# Altium PCB I2C_Jog_Controller - host_module.pcbdoc (part 5 of 5)
Units mm, origin at the board's own origin, x right, y up, seen from the top; angles counter-clockwise.
Board outline 33.76 x 20.13 mm, 4 copper layers (Top Layer, L1, L2, Bottom Layer), stack 1.873 mm thick; 45 components, 39 nets, 5152 pads, 73 vias.
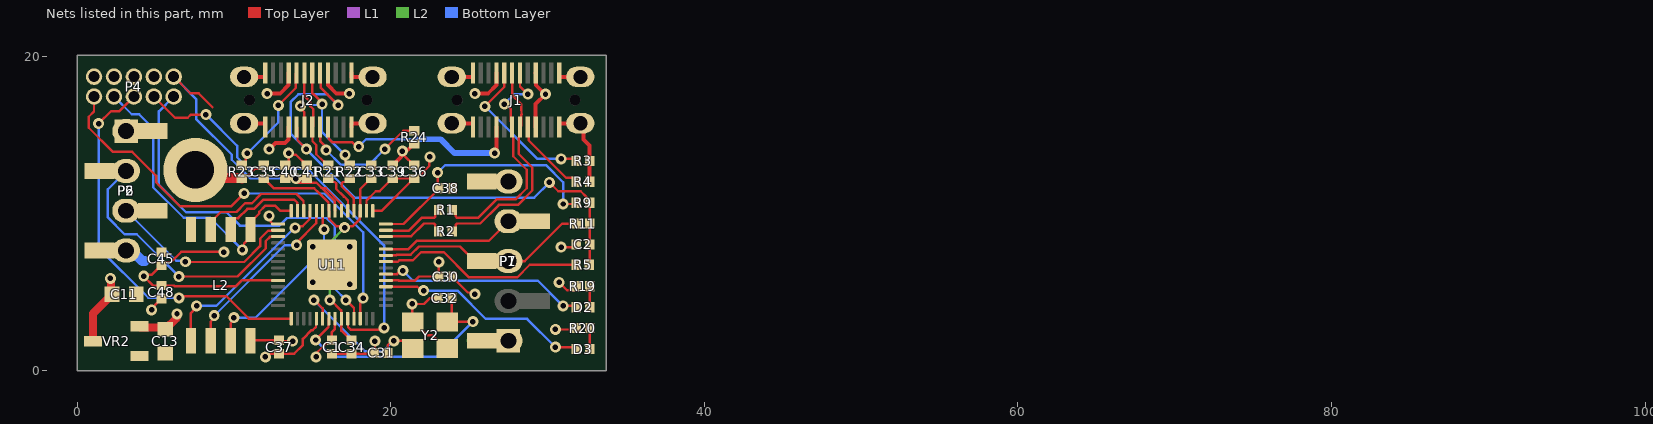
[diagram p7: the nets of this part, all layers, seen from the top]

## Footprints (in the part's own frame and the unit in brackets; to place one, negate y for a bottom-side part, rotate by r counter-clockwise, add the part's x,y. Pads: shape width x height; smd on the part's side, far side on the other; paste and mask are expansions set on the pad) (continued)
Expatria-Logo [mil] "Expatria DXF logo" (continued)
  round 1.64 on Mech4: 1(-44084.13,-43686.41) 1(-44084.13,-43686.41) 1(-44083.22,-43664.04) 1(-44083.22,-43664.04) 1(-44083.22,-43543.69) 1(-44083.22,-43543.69) 1(-44082.8,-43686.83) 1(-44082.8,-43686.83) 1(-44082.34,-43664.04) 1(-44082.34,-43664.04) 1(-44082.34,-43517.31) 1(-44082.34,-43517.31) 1(-44081.89,-43688.19) 1(-44081.89,-43688.19) 1(-44080.56,-43688.64) 1(-44080.56,-43688.64) 1(-44080.11,-43689.52) 1(-44080.11,-43689.52) 1(-44079.2,-43516.85) 1(-44079.2,-43516.85) 1(-44078.74,-43689.97) 1(-44078.74,-43689.97) 1(-44078.32,-43690.88) 1(-44078.32,-43690.88) 1(-44078.32,-43541.45) 1(-44078.32,-43541.45) 1(-44076.96,-43691.3) 1(-44076.96,-43691.3) 1(-44076.96,-43669.84) 1(-44076.96,-43669.84) 1(-44076.51,-43692.21) 1(-44076.51,-43692.21) 1(-44076.09,-43669.84) 1(-44076.09,-43669.84) 1(-44076.09,-43515.52) 1(-44076.09,-43515.52) 1(-44075.18,-43692.66) 1(-44075.18,-43692.66) 1(-44074.73,-43693.54) 1(-44074.73,-43693.54) 1(-44073.4,-43693.99) 1(-44073.4,-43693.99) 1(-44073.4,-43672.99) 1(-44073.4,-43672.99) 1(-44073.4,-43540.13) 1(-44073.4,-43540.13) 1(-44072.95,-43515.07) 1(-44072.95,-43515.07) 1(-44072.95,-43694.9) 1(-44072.95,-43694.9) 1(-44072.49,-43672.99) 1(-44072.49,-43672.99) 1(-44071.62,-43695.35) 1(-44071.62,-43695.35) 1(-44071.16,-43696.23) 1(-44071.16,-43696.23) 1(-44069.8,-43696.68) 1(-44069.8,-43696.68) 1(-44069.8,-43513.74) 1(-44069.8,-43513.74) 1(-44069.38,-43697.59) 1(-44069.38,-43697.59) 1(-44068.47,-43537.89) 1(-44068.47,-43537.89) 1(-44068.02,-43698.01) 1(-44068.02,-43698.01) 1(-44067.56,-43698.92) 1(-44067.56,-43698.92) 1(-44066.69,-43513.29) 1(-44066.69,-43513.29) 1(-44066.23,-43699.37) 1(-44066.23,-43699.37) 1(-44065.78,-43700.24) 1(-44065.78,-43700.24) 1(-44064.46,-43700.7) 1(-44064.46,-43700.7) 1(-44063.54,-43536.56) 1(-44063.54,-43536.56) 1(-44063.54,-43511.96) 1(-44063.54,-43511.96) 1(-44062.67,-43702.48) 1(-44062.67,-43702.48) 1(-44062.21,-43683.72) 1(-44062.21,-43683.72) 1(-44061.31,-43702.94) 1(-44061.31,-43702.94) 1(-44061.31,-43683.72) 1(-44061.31,-43683.72) 1(-44061.31,-43535.2) 1(-44061.31,-43535.2) 1(-44060.86,-43703.84) 1(-44060.86,-43703.84) 1(-44060.44,-43511.51) 1(-44060.44,-43511.51) 1(-44059.53,-43704.3) 1(-44059.53,-43704.3) 1(-44059.07,-43705.17) 1(-44059.07,-43705.17) 1(-44059.07,-43534.74) 1(-44059.07,-43534.74) 1(-44058.19,-43687.28) 1(-44058.19,-43687.28) 1(-44057.74,-43705.63) 1(-44057.74,-43705.63) 1(-44057.29,-43510.14) 1(-44057.29,-43510.14) 1(-44057.29,-43687.28) 1(-44057.29,-43687.28) 1(-44056.84,-43533.42) 1(-44056.84,-43533.42) 1(-44055.96,-43707.41) 1(-44055.96,-43707.41) 1(-44054.6,-43707.86) 1(-44054.6,-43707.86) 1(-44054.6,-43532.96) 1(-44054.6,-43532.96) 1(-44054.14,-43708.77) 1(-44054.14,-43708.77) 1(-44054.14,-43509.72) 1(-44054.14,-43509.72) 1(-44053.27,-43691.75) 1(-44053.27,-43691.75) 1(-44052.82,-43709.19) 1(-44052.82,-43709.19) 1(-44052.36,-43710.1) 1(-44052.36,-43710.1) 1(-44052.36,-43691.75) 1(-44052.36,-43691.75) 1(-44052.36,-43531.63) 1(-44052.36,-43531.63) 1(-44051.03,-43710.55) 1(-44051.03,-43710.55) 1(-44051.03,-43508.36) 1(-44051.03,-43508.36) 1(-44050.12,-43531.18) 1(-44050.12,-43531.18) 1(-44049.25,-43712.34) 1(-44049.25,-43712.34) 1(-44047.89,-43712.79) 1(-44047.89,-43712.79) 1(-44047.89,-43529.85) 1(-44047.89,-43529.85) 1(-44047.43,-43713.66) 1(-44047.43,-43713.66) 1(-44046.1,-43714.12) 1(-44046.1,-43714.12) 1(-44046.1,-43507.49) 1(-44046.1,-43507.49) 1(-44045.65,-43529.4) 1(-44045.65,-43529.4) 1(-44044.78,-43699.83) 1(-44044.78,-43699.83) 1(-44044.33,-43715.9) 1(-44044.33,-43715.9) 1(-44043.87,-43699.83) 1(-44043.87,-43699.83) 1(-44043.41,-43528.04) 1(-44043.41,-43528.04) 1(-44042.96,-43716.35) 1(-44042.96,-43716.35) 1(-44042.96,-43506.13) 1(-44042.96,-43506.13) 1(-44042.09,-43717.72) 1(-44042.09,-43717.72) 1(-44041.18,-43527.62) 1(-44041.18,-43527.62) 1(-44040.73,-43718.14) 1(-44040.73,-43718.14) 1(-44040.31,-43719.05) 1(-44040.31,-43719.05) 1(-44039.85,-43505.67) 1(-44039.85,-43505.67) 1(-44038.94,-43719.5) 1(-44038.94,-43719.5) 1(-44038.94,-43526.25) 1(-44038.94,-43526.25) 1(-44038.07,-43720.83) 1(-44038.07,-43720.83) 1(-44037.62,-43706.54) 1(-44037.62,-43706.54) 1(-44036.71,-43721.28) 1(-44036.71,-43721.28) 1(-44036.71,-43525.8) 1(-44036.71,-43525.8) 1(-44036.71,-43504.34) 1(-44036.71,-43504.34) 1(-44036.71,-43706.54) 1(-44036.71,-43706.54) 1(-44036.25,-43722.19) 1(-44036.25,-43722.19) 1(-44034.92,-43722.61) 1(-44034.92,-43722.61) 1(-44034.47,-43723.52) 1(-44034.47,-43723.52) 1(-44034.01,-43709.65) 1(-44034.01,-43709.65) 1(-44033.6,-43503.89) 1(-44033.6,-43503.89) 1(-44033.14,-43723.97) 1(-44033.14,-43723.97) 1(-44033.14,-43709.65) 1(-44033.14,-43709.65) 1(-44033.14,-43524.02) 1(-44033.14,-43524.02) 1(-44032.69,-43724.85) 1(-44032.69,-43724.85) 1(-44031.36,-43725.3) 1(-44031.36,-43725.3) 1(-44030.9,-43523.56) 1(-44030.9,-43523.56) 1(-44029.54,-43727.08) 1(-44029.54,-43727.08) 1(-44028.67,-43502.11) 1(-44028.67,-43502.11) 1(-44028.67,-43522.23) 1(-44028.67,-43522.23) 1(-44028.21,-43727.54) 1(-44028.21,-43727.54) 1(-44026.43,-43521.78) 1(-44026.43,-43521.78) 1(-44026.43,-43729.32) 1(-44026.43,-43729.32) 1(-44025.53,-43501.65) 1(-44025.53,-43501.65) 1(-44025.07,-43729.77) 1(-44025.07,-43729.77) 1(-44024.65,-43730.68) 1(-44024.65,-43730.68) 1(-44024.2,-43520.45) 1(-44024.2,-43520.45) 1(-44023.74,-43719.5) 1(-44023.74,-43719.5) 1(-44023.28,-43731.14) 1(-44023.28,-43731.14) 1(-44022.83,-43719.5) 1(-44022.83,-43719.5) 1(-44021.96,-43520) 1(-44021.96,-43520) 1(-44021.51,-43732.92) 1(-44021.51,-43732.92) 1(-44021.05,-43519.09) 1(-44021.05,-43519.09) 1(-44020.18,-43722.61) 1(-44020.18,-43722.61) 1(-44019.27,-43722.61) 1(-44019.27,-43722.61) 1(-44018.81,-43518.67) 1(-44018.81,-43518.67) 1(-44018.36,-43734.25) 1(-44018.36,-43734.25) 1(-44017.03,-43735.61) 1(-44017.03,-43735.61) 1(-44016.58,-43517.31) 1(-44016.58,-43517.31) 1(-44015.7,-43736.03) 1(-44015.7,-43736.03) 1(-44015.25,-43727.08) 1(-44015.25,-43727.08) 1(-44014.79,-43737.39) 1(-44014.79,-43737.39) 1(-44014.79,-43498.96) 1(-44014.79,-43498.96) 1(-44014.34,-43727.08) 1(-44014.34,-43727.08) 1(-44014.34,-43516.85) 1(-44014.34,-43516.85) 1(-44011.65,-43739.17) 1(-44011.65,-43739.17) 1(-44010.78,-43731.14) 1(-44010.78,-43731.14) 1(-44010.78,-43515.07) 1(-44010.78,-43515.07) 1(-44010.78,-43497.18) 1(-44010.78,-43497.18) 1(-44009.87,-43731.14) 1(-44009.87,-43731.14) 1(-44009.87,-43735.61) 1(-44009.87,-43735.61) 1(-44009.42,-43735.61) 1(-44009.42,-43735.61) 1(-44009.42,-43732.92) 1(-44009.42,-43732.92) 1(-44009.42,-43732.47) 1(-44009.42,-43732.47) 1(-44009,-43738.72) 1(-44009,-43738.72) 1(-44009,-43733.37) 1(-44009,-43733.37) 1(-44008.54,-43738.72) 1(-44008.54,-43738.72) 1(-44008.54,-43732.47) 1(-44008.54,-43732.47) 1(-44008.54,-43514.62) 1(-44008.54,-43514.62) 1(-44008.08,-43740.08) 1(-44008.08,-43740.08) 1(-44006.3,-43513.29) 1(-44006.3,-43513.29) 1(-44004.07,-43512.83) 1(-44004.07,-43512.83) 1(-44003.16,-43511.96) 1(-44003.16,-43511.96) 1(-44002.29,-43495.85) 1(-44002.29,-43495.85) 1(-44000.92,-43511.51) 1(-44000.92,-43511.51) 1(-44000.92,-43494.94) 1(-44000.92,-43494.94) 1(-43997.81,-43509.72) 1(-43997.81,-43509.72) 1(-43997.81,-43494.49) 1(-43997.81,-43494.49) 1(-43995.57,-43509.27) 1(-43995.57,-43509.27) 1(-43993.76,-43507.91) 1(-43993.76,-43507.91) 1(-43991.52,-43507.49) 1(-43991.52,-43507.49) 1(-43990.65,-43506.58) 1(-43990.65,-43506.58) 1(-43988.41,-43506.13) 1(-43988.41,-43506.13) 1(-43986.18,-43504.8) 1(-43986.18,-43504.8) 1(-43983.94,-43504.34) 1(-43983.94,-43504.34) 1(-43981.25,-43490.47) 1(-43981.25,-43490.47) 1(-43976.77,-43500.32) 1(-43976.77,-43500.32) 1(-43974.54,-43499.87) 1(-43974.54,-43499.87) 1(-43973.63,-43498.96) 1(-43973.63,-43498.96) 1(-43971.4,-43498.54) 1(-43971.4,-43498.54) 1(-43968.74,-43487.36) 1(-43968.74,-43487.36) 1(-43967.83,-43496.31) 1(-43967.83,-43496.31) 1(-43964.68,-43495.4) 1(-43964.68,-43495.4) 1(-43961.57,-43493.16) 1(-43961.57,-43493.16) 1(-43957.55,-43491.38) 1(-43957.55,-43491.38) 1(-43957.55,-43486) 1(-43957.55,-43486) 1(-43954.87,-43488.69) 1(-43954.87,-43488.69) 1(-43954.41,-43486.91) 1(-43954.41,-43486.91)
  silkscreen extent -44849,-43740 -43954,-43379
HDR1X4 [mm] "Connector; Header; 4 Position"
  rect 1.5x1.5 hole 0.9: 1(0,0)
  round 1.5 hole 0.9: 2(2.54,0) 3(5.08,0) 4(7.62,0)
  silkscreen extent -1.27,-1.27 8.89,1.27
HDR1X5 [mm] "Connector; Header; 5 Position"
  rect 1.5x1.5 hole 0.9: 1(0,0)
  round 1.5 hole 0.9: 2(2.54,0) 3(5.08,0) 4(7.62,0) 5(10.16,0)
  silkscreen extent -1.27,-1.27 11.43,1.27
"LED 0402_1005 RED" [mm] "Chip Diode, 2-Leads, Body 1.00x0.50mm, IPC Medium Density"
  rect 0.6x0.65 smd mask+0.051: A(-0.425,0) K(0.425,0)
  silkscreen extent -0.98,-0.57 0.98,0.58, body extent -0.5,-0.25 0.5,0.25, height 0.21
NPTC041KFXCRC [mm]
  oval 1.524x1.778 hole 1.016: 1(-3.81,0) 2(-1.27,0) 3(1.27,0) 4(3.81,0)
  rect 1x1.9 smd: 1(-3.81,1.7) 2(-1.27,-1.7) 3(1.27,1.7) 4(3.81,-1.7)
  silkscreen extent -5.08,-1.25 5.08,3.15, body extent -5.08,-2.55 5.08,2.55, height 7.8
NPTC051KFXCRC [mm]
  oval 1.524x1.778 hole 1.016: 1(-3.81,0) 2(-1.27,0) 3(1.27,0) 4(3.81,0) 5(6.35,0)
  rect 1x1.9 smd: 1(-3.81,1.7) 2(-1.27,-1.7) 3(1.27,1.7) 4(3.81,-1.7) 5(6.35,1.7)
  silkscreen extent -5.08,-1.25 7.75,3.15, body extent -5.08,-1.25 7.75,1.25, height 7.8
RP2040 [mm]
  rrect50% 0.875x0.2 smd: 1(-3.438,2.6) 2(-3.437,2.2) 3(-3.438,1.8) 4(-3.438,1.4) 5(-3.437,1) 6(-3.438,0.6) 7(-3.437,0.2) 8(-3.438,-0.2) 9(-3.438,-0.6) 10(-3.437,-1) 11(-3.438,-1.4) 12(-3.438,-1.8) 13(-3.438,-2.2) 14(-3.437,-2.6) 29(3.437,-2.6) 30(3.438,-2.2) 31(3.438,-1.8) 32(3.437,-1.4) 33(3.437,-1) 34(3.437,-0.6) 35(3.437,-0.2) 36(3.438,0.2) 37(3.438,0.6) 38(3.438,1) 39(3.438,1.4) 40(3.437,1.8) 41(3.437,2.2) 42(3.438,2.6)
  rrect50% 0.2x0.875 smd: 15(-2.6,-3.437) 16(-2.2,-3.438) 17(-1.8,-3.438) 18(-1.4,-3.438) 19(-1,-3.437) 20(-0.6,-3.438) 21(-0.2,-3.438) 22(0.2,-3.437) 23(0.6,-3.438) 24(1,-3.437) 25(1.4,-3.438) 26(1.8,-3.438) 27(2.2,-3.437) 28(2.6,-3.437) 43(2.6,3.438) 44(2.2,3.438) 45(1.8,3.438) 46(1.4,3.438) 47(1,3.438) 48(0.6,3.437) 49(0.2,3.438) 50(-0.2,3.437) 51(-0.6,3.438) 52(-1,3.437) 53(-1.4,3.438) 54(-1.8,3.438) 55(-2.2,3.438) 56(-2.6,3.438)
  rrect10% 3.2x3.2 smd: 57(0,0)
  silkscreen extent -4.42,-3.65 3.65,3.65, body extent -3.5,-3.5 3.5,3.5, height 0.9
SOIC127P780X195-8N [mm]
  rect 1.6x0.65 smd: 1(-3.55,1.905) 2(-3.55,0.635) 3(-3.55,-0.635) 4(-3.55,-1.905) 5(3.55,-1.905) 6(3.55,-0.635) 7(3.55,0.635) 8(3.55,1.905)
  silkscreen extent -4.35,-2.62 2.4,2.62, body extent -3.9,-2.62 3.9,2.62, height 1.95
SOT-23-3L [mm] "http://www.aosmd.com/res/packaging_information/SOT-23-3L.pdf"
  rect 1.15x0.65 smd: 1(1.475,-0.95) 2(1.475,0.95) 3(-1.475,0)
  silkscreen extent -0.9,-1.95 1.6,1.55, body extent -0.9,-1.55 0.9,1.55, height 1.25
USB-C-SMD_GT-USB-7061 [mm]
  oval 1.8x1.3 hole 0.9 slot 1.4 at 0 deg: 1(-4.1,1.48) 2(4.1,1.48) 3(-4.1,-1.48) 4(4.1,-1.48)
  rect 0.27x1.34 smd: A1(-2.75,1.73) A2(-2.25,1.73) A3(-1.75,1.73) A4(-1.25,1.73) A5(-0.75,1.73) A6(-0.25,1.73) A7(0.25,1.73) A8(0.75,1.73) A9(1.25,1.73) A10(1.75,1.73) A11(2.25,1.73) A12(2.75,1.73) B1(2.75,-1.73) B2(2.25,-1.73) B3(1.75,-1.73) B4(1.25,-1.73) B5(0.75,-1.73) B6(0.25,-1.73) B7(-0.25,-1.73) B8(-0.75,-1.73) B9(-1.25,-1.73) B10(-1.75,-1.73) B11(-2.25,-1.73) B12(-2.75,-1.73)
  round 0.7 hole 0.7 unplated: ""(-3.75,0) ""(3.75,0)
  silkscreen extent -4.65,-0.65 4.65,2.71, body extent -5.3,-2.75 5.04,2.75, height 0.25
YSX321SL [mm]
  rect 1.4x1.2 smd: 1(-1.1,-0.85) 2(1.1,-0.85) 3(1.1,0.85) 4(-1.1,0.85)
  silkscreen extent -2.8,-1.1 -2.6,-0.9, body extent -1.68,-1.33 1.68,1.33, height 0.9

## Part data
C1 C33 C34 C37 C38 C39 C40 C41 C45 C48: library part "0402 100nF (104) 10% 16V", "Chip capacitors", Manufacturer="Samsung Electro-Mechanics", Package=0402, PartNumber=CL05B104KO5NNNC, SuppliersPartNumber=C1525, Tolerance=10%, VOLTAGE=16V, Capacitance=100nF, ComponentLink1Description="Supplier link", ComponentLink1URL=http://www.szlcsc.com/product/details_1877.html, Supplier=LC
C2 C35 C36: library part "0402 1.0uF (105) 10% 25V", "Chip capacitor", Capacitance=1uF, Manufacturer="Samsung Electro-Mechanics", Package=0402, PartNumber=CL05A105KA5NQNC, SuppliersPartNumber=C52923, Tolerance=10%, VOLTAGE=25V, ComponentLink1Description="Supplier link", ComponentLink1URL=http://www.szlcsc.com/product/details_53938.html, Supplier=LC
C11 C13: library part "0603 22uF (226) 20% 6.3V", "Chip capacitors", Manufacturer="Samsung Electro-Mechanics", Package=0603, PartNumber=CL10A226MQ8NRNC, SuppliersPartNumber=C59461, Tolerance=20%, VOLTAGE=6.3V, Capacitance=22uF, ComponentLink1Description="Supplier link", ComponentLink1URL=http://www.szlcsc.com/product/details_60514.html, Supplier=LC
C30: library part "0402 4.7uF (475) 20% 10V", "Chip capacitor", Manufacturer="Samsung Electro-Mechanics", Package=0402, PartNumber=CL05A475MP5NRNC, SuppliersPartNumber=C23733, Tolerance=20%, VOLTAGE=10V, Capacitance=4.7uF, ComponentLink1Description="Supplier link", ComponentLink1URL=http://www.szlcsc.com/product/details_24469.html, Supplier=LC
C31 C32: library part "0402 10pF (100) 5% 50V", "Chip capacitors", Manufacturer="Samsung Electro-Mechanics", Package=0402, PartNumber=CL05C100JB5NNNC, SuppliersPartNumber=C32949, Tolerance=5%, VOLTAGE=50V, Capacitance=10pF, ComponentLink1Description="Supplier link", ComponentLink1URL=http://www.szlcsc.com/product/details_33914.html, Supplier=LC
D2: library part "0402 LED Green", "LED", Color=Green, Package=0402, SuppliersPartNumber=C130723, Supplier=LC
D3: library part "0402 LED Red", "LED", Color=Red, Package=0402, SuppliersPartNumber=C130720, Supplier=LC
J1 J2: library part USBC-GT-USB-7061, "CONN RCP USB3.1 TYPEC 24P SMD VERT", Manufacturer=G-Switch, SuppliersPartNumber=C2762983, Manufacturer Part Number=GT-USB-7061
L2: library part W25Q128JVSIQ_TR, "SPI NOR FLASH 16Mbit", Manufacturer_Name=Winbond, SuppliersPartNumber=C82317, Datasheet Link=http://www.winbond.com/resource-files/w25q128jv%20spi%20revc%2011162016.pdf, HEIGHT=1.95mm, Manufacturer_Part_Number=W25Q16JVSSIQ
Logo1: library part SBT-Logo, Manufacturer 1=NONE, Manufacturer Part Number 1=NONE
P1: "Header, 5-Pin", SuppliersPartNumber=C124379, LatestRevisionDate=17-Jul-2002, LatestRevisionNote="Re-released for DXP Platform.", Publisher="Altium Limited"
P2: "Header, 4-Pin", SuppliersPartNumber=C124378, Publisher="Altium Limited"
P4: library part CMP-1502-00948-1, "THT Vertical Pin Header WR-PHD, Pitch 1.27 mm, Dual Row, 10 pins", Contact Resistance=20mOhm, Manufacturer="Wurth Elektronik", Operating Temperature=-40to105degC, Rated Current=1A, Withstanding Voltage=500VAC, Working Voltage=100VAC, Datasheet URL=https://katalog.we-online.de/em/datasheet/62201021121.pdf, Gender=Male, Manufacturer URL=http://www.we-online.de, Mounting Technology=THT, Orientation=Vertical, Package Reference=62201021121, Packaging=Box, Part Number=62201021121, Pin Number=10, Pitch=1.27mm, Publisher=WurthElektronik, Row Number=Dual
P6: library part "Header 4", "Header, 4-Pin", Manufacturer=Sullins, Manufacturer_Part_Number=NPTC041KFXCRC, Publisher="Altium Limited"
P7: library part "Header 5", "Header, 5-Pin", Manufacturer=Sullins, Manufacturer_Part_Number=NPTC051KFXCRC
R1 R2 R5 R21 R22: library part "0402 22R (22R0) 1%", "Chip resistor", Manufacturer="Uniroyal Elec", Package=0402, PartNumber=0402WGF220JTCE, Power=1/16W, Resistance=22Ω, SuppliersPartNumber=C25092, Tolerance=1%, ComponentLink1Description="Supplier link", ComponentLink1URL=http://www.szlcsc.com/product/details_25835.html, Supplier=LC
R3 R4 R23 R24: library part "0402 5.1K (5101) 1%", "Chip resistor", Manufacturer="Uniroyal Elec", Package=0402, PartNumber=0402WGF5101TCE, Power=1/16W, Resistance=51.1KΩ, SuppliersPartNumber=C25905, Tolerance=1%, ComponentLink1Description="Supplier link", ComponentLink1URL=http://www.szlcsc.com/product/details_26648.html, Supplier=LC
R9 R19 R20: library part "0402 1K (1001) 1%", "Chip resistor", Manufacturer="Uniroyal Elec", Package=0402, PartNumber=0402WGF1001TCE, Power=1/16W, Resistance=1KΩ, SuppliersPartNumber=C11702, Tolerance=1%, ComponentLink1Description="Supplier link", ComponentLink1URL=http://www.szlcsc.com/product/details_12256.html, Supplier=LC
R11: library part "0402 0R (0R0) 1%", "Chip resistor", Manufacturer="Uniroyal Elec", Package=0402, PartNumber=0402WGF0000TCE, Power=1/16W, Resistance=0Ω, SuppliersPartNumber=C17168, Tolerance=1%, ComponentLink1Description="Supplier link", ComponentLink1URL=http://www.szlcsc.com/product/details_17853.html, Supplier=LC
U11: "RP2040 First MCU from RPI"
VR2: library part "SOT-23 XC6206P332MR", "200mA 680mV@(100mA) Fixed 3.3V~3.3V Positive 1 6V SOT-23-3L Linear Voltage Regulators (LDO) ROHS", Package=SOT-23, SuppliersPartNumber=C5446, ComponentLink1Description=供应商链接, ComponentLink1URL=http://www.szlcsc.com/product/details_5896.html, Supplier=LC
Y2: "Crystal or Oscillator", Manufacturer_Name=YXC, SuppliersPartNumber=C9002, Datasheet Link=https://datasheet.lcsc.com/szlcsc/YSX321SL-30MHZ-10PF-8PPM_C70576.pdf, HEIGHT=0.8mm, Manufacturer_Part_Number=YSX321SL

## Free pads (board coordinates)
  round 4.1 hole 2.4 unplated: 0(7.55,12.8)

## Via types
v1: diameter 0.7, hole 0.35, Top Layer to Bottom Layer, tented both sides, 73 vias

## Nets (pads, with @x,y where several pads share a name; then routed paths per layer and width w, separated by ;. In a path a pad name is that pad's centre, name@x,y a point inside that pad or via, vN(x,y) a via of type N, cw(c..) or ccw(c..) an arc to the next point about the centre after c; other vN are vias at no path point)
+3.3V_CONN: P2.1 P6.1
+3.3V_MCU: C1.2 C13.2 C30.2 C36.2 C37.2 C38.2 C39.2 C40.2 C41.2 C45.2 C48.2 L2.8 P4.1 R9.2 U11.1 U11.10 U11.22 U11.33 U11.42 U11.43 U11.44 U11.48 U11.49 VR2.2 | length 76.3
  Top Layer w0.152: P4.1@6.165,18.746 7.224,17.687 7.752,17.687 8.639,16.8 ; v1(9.363,7.557) 9.349,7.571 6.643,7.571 5.998,6.926 5.609,6.926 C45.2@5.385,6.702 5.36,6.702 4.782,6.124 4.359,6.124 v1(4.254,6.02) 4.847,5.427 6.183,5.427 6.239,5.371 10.111,5.371 10.493,5.752 U11.10@12.604,5.752 ; L2.8@11.07,1.902 11.095,1.927 C37.2@12.885,1.927 12.937,1.875 v1(13.75,1.875) ; v1(12.25,9.875) 12.355,9.77 12.355,9.482 12.485,9.352 U11.1@12.822,9.352 ; C40.2@13.277,12.252 13.28,12.249 v1@13.826,12.249 ; v1(13.952,12.249) v1@13.826,12.249 ; C41.2@14.648,12.252 14.673,12.252 C41.2@14.944,11.981 ; v1(15.25,0.875) 15.355,0.98 15.355,1.2 15.856,1.701 16.026,1.701 C1.2@16.25,1.925 16.25,2.456 16.442,2.648 16.442,3.297 U11.22@16.46,3.315 ; 15.63,11.625 15.856,11.625 16.836,10.645 16.836,10.213 U11.48@16.86,10.189 ; U11.49@16.46,10.19 16.439,10.21 16.439,10.816 15.583,11.673 15.578,11.673 15.27,11.981 C41.2@14.944,11.981 ; U11.44@18.46,10.19 18.46,10.856 19.046,11.442 19.296,11.442 20.106,12.252 C36.2@21.475,12.252 ; U11.43@18.86,10.19 19.413,10.19 C36.2@21.475,12.252 ; U11.33@19.697,5.752 20.505,5.752 20.517,5.741 21.554,5.741 21.814,6 C30.2@23.075,6 v1(23.075,6.93) ; U11.42@19.698,9.352 20.827,9.352 23.075,11.6 C38.2@23.075,11.625 23,11.7 v1(23,12.625) ; v1(22.5,13.625) 22.464,13.589 22.464,13.046 21.894,12.476 21.724,12.476 C36.2@21.5,12.252 C36.2@21.475,12.252 ; v1(31,10.625) R9.2@31.825,10.625 ; v1@13.826,12.249 14.094,11.981 C41.2@14.944,11.981
  Top Layer w0.508: VR2.2@3.975,2.825 4.046,2.754 5.516,2.754 C13.2@5.625,2.645 5.65,2.645 6.338,3.333 6.338,3.588 v1(6.375,3.625)
  Bottom Layer w0.152: P4.1@6.165,18.746 7.594,17.317 7.594,16.05 9.865,13.779 9.865,13.442 11.059,12.249 v1(13.952,12.249) ; v1(23,12.625) 23.481,13.106 29.909,13.106 31,12.015 v1(31,10.625)
+5V_CONN: C11.2 J1.A4 J1.A9 J1.B4 J1.B9 J2.A4 J2.A9 J2.B4 J2.B9 P1.1 P7.1 VR2.3 | length 34.2
  Top Layer w0.152: J2.A4@16,15.522 16.059,15.463 16.059,14.763 16.249,14.573 17.532,14.573 17.818,14.287 v1(17.966,14.287)
  Top Layer w0.254: v1(12.129,17.657) 12.947,17.657 13.492,18.202 13.492,18.974 J2.B4@13.5,18.982 ; v1(12.246,14.125) 12.643,14.522 13.272,14.522 13.492,14.742 13.492,15.514 J2.A9@13.5,15.522 ; J2.B9@16.008,18.974 16.008,18.202 16.553,17.657 v1(17.37,17.657) ; v1(25.375,17.657) 26.193,17.657 26.738,18.202 26.738,18.974 J1.B4@26.746,18.982 ; v1(26.625,13.875) 26.625,13.996 26.746,14.117 J1.A9@26.746,15.522 ; J1.A4@29.246,15.522 29.246,16.996 v1(29.875,17.625) 29.831,17.625 29.254,18.202 29.254,18.974 J1.B9@29.246,18.982
  Top Layer w0.508: VR2.3@1.025,1.875 1.025,3.645 2.23,4.85 C11.2@2.23,4.875 2.162,4.943 2.162,5.838 v1(2.125,5.875)
  L2 w0.508: 25.095,1.905 P1.1@27.51,1.905
  Bottom Layer w0.152: v1(17.966,14.287) 18.433,14.754 21.621,14.754
  Bottom Layer w0.381: 21.621,14.754 23.188,14.754 24.067,13.875 v1(26.625,13.875)
D2_n: J1.A7 J1.B7 R1.1 | length 15.2
  Top Layer w0.152: R1.1@23.925,10.25 24.149,10.026 24.149,9.83 24.238,9.74 25.571,9.74 26.752,10.922 27.966,10.922 28.678,11.634 28.678,12.808 27.818,13.668 27.818,14.839 27.805,14.852 27.805,15.74 27.66,15.884 27.66,16.308 27.65,16.318 27.65,16.708 27.357,17 v1(27.25,17) ; J1.B7@28.246,18.982 28.246,18.129 v1(28.75,17.625)
  Bottom Layer w0.152: v1(27.25,17) 27.875,17.625 v1(28.75,17.625)
D2_p: J1.A6 J1.B6 R2.1 | length 14.5
  Top Layer w0.152: R2.1@23.925,8.875 24.149,9.099 24.149,9.295 24.238,9.385 25.718,9.385 26.9,10.566 28.114,10.566 29.034,11.486 29.034,12.955 28.174,13.815 28.174,14.839 28.187,14.852 28.187,15.463 28.332,15.608 28.332,16.308 28.378,16.354 28.345,16.386 28.345,16.591 28.334,16.602 28.334,16.991 27.746,17.58 J1.B6@27.746,18.982
D_n: R1.2 U11.41 | length 4
  Top Layer w0.152: U11.41@19.697,8.952 19.718,8.931 20.221,8.931 20.223,8.93 21.162,8.93 21.973,9.74 22.762,9.74 22.851,9.83 22.851,10.026 R1.2@23.075,10.25
D_p: R2.2 U11.40 | length 4
  Top Layer w0.152: U11.40@19.697,8.552 19.718,8.573 20.221,8.573 20.223,8.574 21.31,8.574 22.12,9.385 22.762,9.385 22.851,9.295 22.851,9.099 R2.2@23.075,8.875
DP_mod_n: J2.A7 J2.B7 R22.1 | length 9.8
  Top Layer w0.152: v1(14.25,16.875) 14.25,16.727 14.5,16.477 J2.A7@14.5,15.522 ; J2.B7@15,18.982 15,17.653 15.017,17.636 15.086,17.636 15.625,17.097 v1(15.625,17) ; v1(17.091,13.752) 17.14,13.703 17.14,13.326 17.364,13.102 R22.1@17.389,13.102
  Bottom Layer w0.152: v1(14.25,16.875) 14.312,16.937 15.563,16.937 v1(15.625,17) 15.625,15.218 v1(17.091,13.752)
DP_mod_p: J2.A6 J2.B6 R21.1 | length 6.6
  Top Layer w0.152: J2.B6@14.5,18.982 14.5,17.515 14.879,17.136 14.879,16.856 15.059,16.676 15.059,15.581 J2.A6@15,15.522 15.016,15.505 15.016,14.623 15.26,14.38 15.26,13.796 15.73,13.326 15.795,13.326 R21.1@16.019,13.102
DP_n: R22.2 U11.46 | length 2.7
  Top Layer w0.152: R22.2@17.389,12.252 17.165,12.028 16.971,12.028 16.882,11.939 16.882,11.74 17.168,11.454 17.187,11.454 17.638,11.003 17.638,10.715 17.639,10.713 17.639,10.21 U11.46@17.66,10.19
DP_p: R21.2 U11.47 | length 2.7
  Top Layer w0.152: R21.2@16.018,12.252 16.242,12.028 16.437,12.028 16.526,11.939 16.526,11.592 17.02,11.098 17.04,11.098 17.282,10.856 17.282,10.715 17.281,10.713 17.281,10.21 U11.47@17.26,10.19
GND: C1.1 C2.1 C11.1 C13.1 C30.1 C31.2 C32.2 C33.1 C34.1 C35.1 C36.1 C37.1 C38.1 C39.1 C40.1 C41.1 C45.1 C48.1 J1.1 J1.2 J1.3 J1.4 J1.A1 J1.A12 J1.B1 J1.B12 J2.1 J2.2 J2.3 J2.4 J2.A1 J2.A12 J2.B1 J2.B12 L2.4 P1.5 P2.4 P4.3 P4.5 P4.7 P4.9 P6.4 P7.5 pad.0 R3.2 R4.2 R19.2 R20.2 R23.2 R24.2 U11.19 U11.57 VR2.1 Y2.2 Y2.4 | length 54.8
  Top Layer w0.152: v1(4.75,3.875) 4.75,3.967 5.36,4.577 C48.1@5.385,4.577 ; R23.2@10.51,12.25 10.736,12.476 10.95,12.476 11.353,12.878 11.682,12.878 C35.1@11.906,13.102 ; v1(12.008,0.872) 12.145,0.872 12.35,1.077 13.842,1.077 14.399,1.635 14.399,2.024 14.957,2.582 15.03,2.582 15.239,2.791 15.239,3.294 U11.19@15.26,3.315 ; C40.1@13.277,13.102 13.5,13.325 v1(13.5,13.875) 13.605,13.77 13.955,13.77 14.623,13.102 C41.1@14.648,13.102 ; C1.1@16.25,1.075 18.908,1.075 19,1.167 v1(19,1.875) ; v1(20.75,14) 20.855,13.895 20.855,13.722 21.475,13.102 C36.1@21.5,13.102 ; C32.2@23.035,4.627 22.512,4.627 22.135,4.25 v1(21.375,4.25) 21.375,3.137 Y2.4@21.41,3.102 21.51,3.102 22.36,2.252 22.66,2.252 23.51,1.402 Y2.2@23.61,1.402 ; C30.1@23.925,6 23.925,5.975 24.92,4.98 25.27,4.98 v1(25.375,4.875) ; v1(30.5,2.625) 31.783,2.625 R20.2@31.785,2.627 ; v1(30.75,5.625) 31.248,5.127 R19.2@31.785,5.127 ; v1(30.875,7.875) C2.1@31.775,7.875
  Top Layer w0.254: J2.2@10.65,15.772 11.992,15.772 12,15.764 J2.A12@12,15.522 ; J2.4@10.65,18.732 11.992,18.732 12,18.74 J2.B1@12,18.982 ; J2.A1@17.5,15.522 17.5,15.764 17.508,15.772 J2.1@18.85,15.772 ; J2.B12@17.5,18.982 17.5,18.74 17.508,18.732 J2.3@18.85,18.732 ; C39.1@20.131,13.102 20.156,13.102 20.665,13.611 20.665,13.915 v1(20.75,14) 20.835,14.085 21.11,14.085 21.475,14.45 R24.2@21.5,14.45 ; J1.2@23.896,15.772 25.238,15.772 25.246,15.764 J1.A12@25.246,15.522 ; J1.4@23.896,18.732 25.238,18.732 25.246,18.74 J1.B1@25.246,18.982 ; J1.A1@30.746,15.764 30.754,15.772 J1.1@32.096,15.772 32.305,15.562 32.305,14.741 32.685,14.361 R4.2@32.685,12.042 ; J1.B12@30.746,18.74 30.754,18.732 J1.3@32.096,18.732
  Top Layer w0.635: pad.0@7.55,12.8 8.08,12.27 10.503,12.27 10.51,12.262 R23.2@10.51,12.252
  L1 w0.635: 1.405,7.655 P2.4@3.135,7.655 ; 25.185,12.065 P1.5@27.51,12.065
  Bottom Layer w0.635: P2.4@3.135,7.655 3.503,7.655 4.158,7 4.328,7 ; 25.565,12.065 P1.5@27.51,12.065
  other v1: 17.395,5.52 15.02,5.645 15.02,7.895 17.395,7.895
HALT_conn: C2.2 J2.A8 J2.B8 R5.1 R9.1 R11.1 | length 35.5
  Top Layer w0.152: J2.A8@14,15.522 14.059,15.463 14.059,14.691 v1(14.625,14.125) ; J2.B8@15.5,18.982 15.552,18.93 15.552,18.026 v1(16.648,16.93) ; v1(30.125,12) 30.687,11.438 32.126,11.438 32.461,11.102 32.461,10.933 R9.1@32.685,10.709 32.685,6.76 R5.1@32.675,6.75
  Bottom Layer w0.152: v1(16.648,16.93) 15.949,17.629 14.114,17.629 13.621,17.136 13.621,15.129 17.726,11.024 29.149,11.024 v1(30.125,12)
HALT_host: P1.3 P7.3 R11.2 U11.37 | length 12
  Top Layer w0.152: U11.37@19.698,7.352 20.367,7.352 20.411,7.396 21.28,7.396 21.799,7.915 23.362,7.915 24.43,7.915 25.36,6.985 P7.3@25.81,6.985 ; P1.3@27.51,6.985 28.548,6.985 30.938,9.376 R11.2@31.835,9.376
KPSTR_host: P1.4 P7.4 U11.38 | length 8.5
  Top Layer w0.152: U11.38@19.698,7.752 21.133,7.752 21.652,8.271 23.509,8.271 26.256,8.271 P1.4@27.51,9.525
LED_G: D2.A U11.34 | length 13.2
  Top Layer w0.152: U11.34@19.697,6.152 20.411,6.152 20.629,6.37 v1(20.777,6.37) ; v1(31,4.125) 31.753,4.125 D2.A@31.835,4.043
  Bottom Layer w0.152: v1(20.777,6.37) 21.416,5.731 29.394,5.731 v1(31,4.125)
LED_R: D3.A U11.32 | length 13.8
  Top Layer w0.152: U11.32@19.697,5.352 21.699,5.352 21.949,5.102 v1(22.098,5.102) ; v1(30.5,1.5) 31.712,1.5 D3.A@31.835,1.377
  Bottom Layer w0.152: v1(22.098,5.102) 24.258,5.102 26.059,3.301 28.699,3.301 v1(30.5,1.5)
NetD2_K: D2.K R19.1 | length 1.3
  Top Layer w0.152: D2.K@32.685,4.043 R19.1@32.685,5.376
NetD3_K: D3.K R20.1 | length 1.3
  Top Layer w0.152: D3.K@32.685,1.377 R20.1@32.685,2.71
NetR5_2: R5.2 U11.36 | length 13.4
  Top Layer w0.152: U11.36@19.698,6.952 20.47,6.952 20.558,7.041 21.427,7.041 21.946,7.56 23.215,7.56 23.391,7.56 25.006,5.944 28.068,5.944 28.874,6.75 R5.2@31.825,6.75
Pico_Run: P4.10 U11.26 | length 29.2
  Top Layer w0.152: P4.10@1.085,17.73 1.085,16.531 0.746,16.192 0.746,15.489 2.286,13.949 3.52,13.949 5.053,12.417 5.053,12.003 6.585,10.471 9.824,10.471 v1(10.65,11.297) ; U11.26@18.06,3.315 18.06,4.287 18.25,4.477 v1(18.25,4.625)
  Bottom Layer w0.152: v1(10.65,11.297) 15.766,11.297 18.25,8.813 v1(18.25,4.625)
QSPI_SCLK_mod: L2.6 U11.52 | length 11.5
  Top Layer w0.152: L2.6@8.53,1.902 8.53,3.132 8.75,3.352 v1(8.75,3.5) ; v1(14,8) 14,8.147 15.26,9.407 U11.52@15.26,10.189
  Bottom Layer w0.152: v1(8.75,3.5) 13.25,8 v1(14,8)
QSPI_SD0_mod: L2.5 U11.53 | length 12.4
  Top Layer w0.152: L2.5@7.26,1.902 7.26,3.672 7.625,4.037 v1(7.625,4.125) ; v1(13.907,9.105) 14.012,9.21 14.383,9.21 14.839,9.666 14.839,10.169 U11.53@14.86,10.19
  Bottom Layer w0.152: v1(7.625,4.125) 7.629,4.129 8.876,4.129 13.852,9.105 v1(13.907,9.105)
QSPI_SD1_mod: L2.2 U11.55 | length 5.9
  Top Layer w0.152: L2.2@9.8,9.002 9.8,9.477 10.049,9.726 10.274,9.726 10.861,10.312 11.295,10.312 11.888,10.906 13.846,10.906 14.039,10.713 14.039,10.21 U11.55@14.06,10.19
QSPI_SD2_mod: L2.3 U11.54 | length 7.9
  Top Layer w0.152: L2.3@8.53,9.002 8.53,9.477 9.168,10.115 10.16,10.115 10.713,10.668 11.147,10.668 11.741,11.262 13.994,11.262 14.439,10.816 14.439,10.21 U11.54@14.46,10.19
QSPI_SD3_mod: L2.7 U11.51 | length 11.6
  Top Layer w0.152: L2.7@9.8,1.902 9.8,3.027 10,3.227 v1(10,3.375) ; U11.51@15.66,10.19 15.681,10.169 15.681,9.076 v1(15.75,9.007)
  Bottom Layer w0.152: v1(10,3.375) 11.39,3.375 15.75,7.735 v1(15.75,9.007)
QSPI_SS_mod: L2.1 P4.8 U11.56 | length 19.6
  Top Layer w0.152: v1(10.543,7.698) 10.648,7.803 10.648,8.105 11.07,8.527 11.07,9.477 11.621,10.028 11.621,10.136 11.989,10.504 12.655,10.504 12.97,10.19 U11.56@13.66,10.19
  Bottom Layer w0.152: P4.8@2.355,17.476 3.487,16.344 3.96,16.344 4.865,15.44 4.865,11.688 6.808,9.745 8.496,9.745 v1(10.543,7.698)
RP_XIN_mod: C31.1 U11.20 Y2.1 | length 10.6
  Top Layer w0.152: v1(15.1,4.497) 15.143,4.497 15.66,3.981 U11.20@15.66,3.315 ; C31.1@19.81,1.127 19.81,1.628 20.082,1.9 20.912,1.9 Y2.1@21.41,1.402
  Bottom Layer w0.152: v1(15.1,4.497) 18.351,1.246 19.547,1.246 v1(20.201,1.9)
RP_XOUT_mod: C32.1 U11.21 Y2.3 | length 16.4
  Top Layer w0.152: v1(15.218,1.952) 16.039,2.774 16.039,3.294 U11.21@16.06,3.315 ; Y2.3@23.61,3.102 Y2.3@23.633,3.125 ; C32.1@23.885,4.627 23.885,3.377 Y2.3@23.633,3.125 ; v1(25.25,3.125) Y2.3@23.633,3.125
  Bottom Layer w0.152: v1(15.218,1.952) 16.28,0.89 23.015,0.89 v1(25.25,3.125)
SCL_host: P2.2 P6.2 U11.3 | length 17.2
  Top Layer w0.152: v1(6.5,6) 10.238,6 12.03,7.792 12.03,8.262 12.299,8.531 12.802,8.531 U11.3@12.822,8.552
  Bottom Layer w0.152: P2.2@3.135,12.735 1.967,11.567 1.967,9.764 3.034,8.696 3.804,8.696 v1(6.5,6)
SDA_host: P2.3 P6.3 U11.2 | length 12.2
  Top Layer w0.152: v1(6.904,6.942) 6.918,6.928 10.662,6.928 11.674,7.939 11.674,8.41 12.196,8.931 12.802,8.931 U11.2@12.823,8.952
  Bottom Layer w0.152: P2.3@3.135,10.195 6.325,7.005 6.841,7.005 v1(6.904,6.942)
SWCLK: P4.4 U11.24 | length 27.4
  Top Layer w0.152: P4.4@4.895,17.476 6.246,16.125 7.06,16.125 7.261,16.326 v1(8.223,16.326) ; U11.24@17.26,3.315 17.281,3.294 17.281,2.791 17.474,2.598 19.315,2.598 19.435,2.718 v1(19.583,2.718)
  Bottom Layer w0.152: v1(8.223,16.326) 10.221,14.329 10.221,13.589 10.932,12.878 14.688,12.878 19.583,7.983 v1(19.583,2.718)
SWDIO: P4.2 U11.25 | length 25.1
  Top Layer w0.152: v1(17.15,4.497) 17.66,3.987 U11.25@17.66,3.314
  Bottom Layer w0.152: P4.2@6.165,17.476 5.221,16.532 5.221,11.835 6.955,10.101 9.527,10.101 10.382,9.246 12.903,9.246 13.392,9.734 15.913,9.734 16.431,9.216 16.431,5.216 v1(17.15,4.497)
UART_DBG_TX: P4.6 U11.15 | length 25
  Top Layer w0.152: v1(1.375,15.75) 2.177,16.552 2.701,16.552 P4.6@3.625,17.476 ; v1@6.637,4.747 6.755,4.747 6.762,4.754 9.511,4.754 10.95,3.315 U11.15@13.66,3.315
  Bottom Layer w0.152: v1(1.375,15.75) 1.375,7.816 4.548,4.642 v1(6.502,4.642)
USBC2_CC1: J1.A5 R4.1 | length 5
  Top Layer w0.152: J1.A5@28.746,15.522 28.805,15.463 28.805,14.68 31.195,12.291 31.611,12.291 31.835,12.067 R4.1@31.835,12.042
USBC2_CC2: J1.B5 R3.1 | length 9.9
  Top Layer w0.152: v1(26.015,16.856) 27.246,18.087 J1.B5@27.246,18.982 ; v1(30.875,13.5) 31.71,13.5 R3.1@31.835,13.375
  Bottom Layer w0.152: v1(26.015,16.856) 29.371,13.5 v1(30.875,13.5)
USBC_CC1_mod: J2.A5 R24.1 | length 8.5
  Top Layer w0.152: J2.A5@15.5,15.522 15.5,14.643 15.784,14.358 15.784,14.162 v1(15.889,14.057) ; v1(19.625,14.125) 20.8,15.3 R24.1@21.5,15.3
  Bottom Layer w0.152: v1(15.889,14.057) 16.823,13.123 18.623,13.123 v1(19.625,14.125)
USBC_CC2_mod: J2.B5 R23.1 | length 7.3
  Top Layer w0.152: R23.1@10.51,13.102 10.535,13.102 10.759,13.326 10.759,13.759 v1(10.85,13.85) ; v1(12.833,16.912) 13.948,18.027 13.948,18.93 J2.B5@14,18.982
  Bottom Layer w0.152: v1(10.85,13.85) 12.833,15.833 v1(12.833,16.912)
VREG_1V1_mod: C33.2 C34.2 C35.2 U11.23 U11.45 U11.50 | length 19.3
  Top Layer w0.152: C35.2@11.906,12.252 11.931,12.252 12.566,11.617 15.13,11.617 15.431,11.317 15.435,11.317 16.039,10.713 16.039,10.21 16.081,10.169 16.081,9.666 16.528,9.218 16.955,9.218 v1(17.06,9.113) 17.165,9.218 17.592,9.218 18.039,9.666 18.039,10.169 U11.45@18.06,10.19 18.06,11.577 18.735,12.252 C33.2@18.76,12.252 ; v1(16.125,4.497) 16.18,4.497 16.839,3.838 16.839,3.335 U11.23@16.86,3.315 16.86,2.552 17.485,1.927 C34.2@17.51,1.927
  L2 w0.152: v1(16.125,4.497) 16.125,8.178 v1(17.06,9.113)
pads on no net: J1. J1.A2 J1.A3 J1.A8 J1.A10 J1.A11 J1.B2 J1.B3 J1.B8 J1.B10 J1.B11 J2. J2.A2 J2.A3 J2.A10 J2.A11 J2.B2 J2.B3 J2.B10 J2.B11 Logo1.1 P1.2 P7.2 U11.4 U11.5 U11.6 U11.7 U11.8 U11.9 U11.11 U11.12 U11.13 U11.14 U11.16 U11.17 U11.18 U11.27 U11.28 U11.29 U11.30 U11.31 U11.35 U11.39

## Polygon pours and split planes (outlines as drawn)
+3.3V_MCU on L2 "3v3" (solid, remove dead copper, pour order 0): 3.75,14.25 23.875,14.25 23.875,0.5 3.75,0.5
+5V_CONN on L2 "NONET_L-01_P-001" (solid, remove dead copper, pour order 7): -0.875,20.03 33.76,20.03 33.76,0.03 -0.875,0.03
GND on Top Layer "NONET_L-01_P-001" (solid, remove dead copper, pour order 2): -0.875,20.03 33.76,20.03 33.76,0.03 -0.875,0.03
GND on L1 "NONET_L-01_P-001" (solid, remove dead copper, pour order 4): -0.875,20.03 33.76,20.03 33.76,0.03 -0.875,0.03
GND on Bottom Layer "NONET_L-01_P-001" (solid, pour order 1): 0,20.03 33.76,20.03 33.76,0.03 0,0.03

## Other copper
Top Layer:
  pour cut-out: 13.25,9.75 19.25,9.75 19.25,3.75 13.25,3.75

## Silkscreen, mask and mechanical layers (free items; w line width, h text height)
Top Overlay:
  text "MAIN" at 8.25,19.75 h1.78 r270
  text "ALT" at 21.5,19.625 h1.78 r270
  text "'.VarRevNo'" at 0.5,16 h1.52 r270
Bottom Overlay:
  drawing of 679 lines, arcs and shapes, not listed
  text "HID Jog Controller" at 31.464,11.625 h1.52 r90
  text "Expatria" at 23.109,9.564 h2.54
  text "PCB_REV '.VarRevNo'" at 32.875,8.75 h1.52 r90
  text "Technologies" at 16.75,5.625 h1.52
  text "Licensed under CERN-OHL-S v2" at 20.5,1.763 h1.27
Bottom Solder:
  region: 2.232,1.442 2.201,0.843 2.324,0.843 2.293,1.431 cw(c2.362,1.431) 2.35,1.499 cw(c2.356,1.346) 2.369,1.498 2.955,1.395 2.876,1.614 cw(c2.957,1.636) 2.873,1.629 cw(c2.917,1.629) 2.889,1.663 3.531,2.183 3.387,2.251 cw(c3.405,2.291) 3.361,2.291 cw(c3.406,2.291) 3.363,2.304 3.49,2.695 3.121,2.616 cw(c3.115,2.667) 3.071,2.642 2.999,2.81 2.711,2.501 cw(c2.679,2.531) 2.679,2.487 cw(c2.68,2.533) 2.635,2.526 cw(c2.98,2.521) 2.635,2.54 2.774,3.257 2.551,3.128 cw(c2.529,3.167) 2.529,3.122 cw(c2.529,3.166) 2.489,3.147 2.263,3.591 2.036,3.147 cw(c1.997,3.167) 1.997,3.122 cw(c1.997,3.167) 1.974,3.128 1.751,3.257 1.89,2.54 cw(c1.84,2.536) 1.852,2.487 cw(c1.849,2.538) 1.815,2.501 1.526,2.81 1.454,2.642 cw(c1.414,2.659) 1.414,2.615 1.035,2.695 1.162,2.304 cw(c1.12,2.291) 1.164,2.291 cw(c1.12,2.291) 1.139,2.251 0.994,2.183 1.636,1.663 cw(c1.608,1.629) 1.652,1.629 cw(c1.608,1.629) 1.65,1.614 1.57,1.395 2.156,1.498 cw(c2.18,1.219) 2.171,1.499 cw(c2.167,1.434)
Mechanical 6:
  the board outline again, w0.254

## Text inside footprints (layer, text, board x,y; h text height)
P4: Top Overlay "2" at 6.625,15.5 h1.02; Top Overlay "1" at 7.125,19.25 h1.02; Top Overlay "9" at 0.75,21 h1.02 r180